# Altium PCB iMX53_BB_PCB_V1I1.PcbDoc (part 8 of 9) (continued)
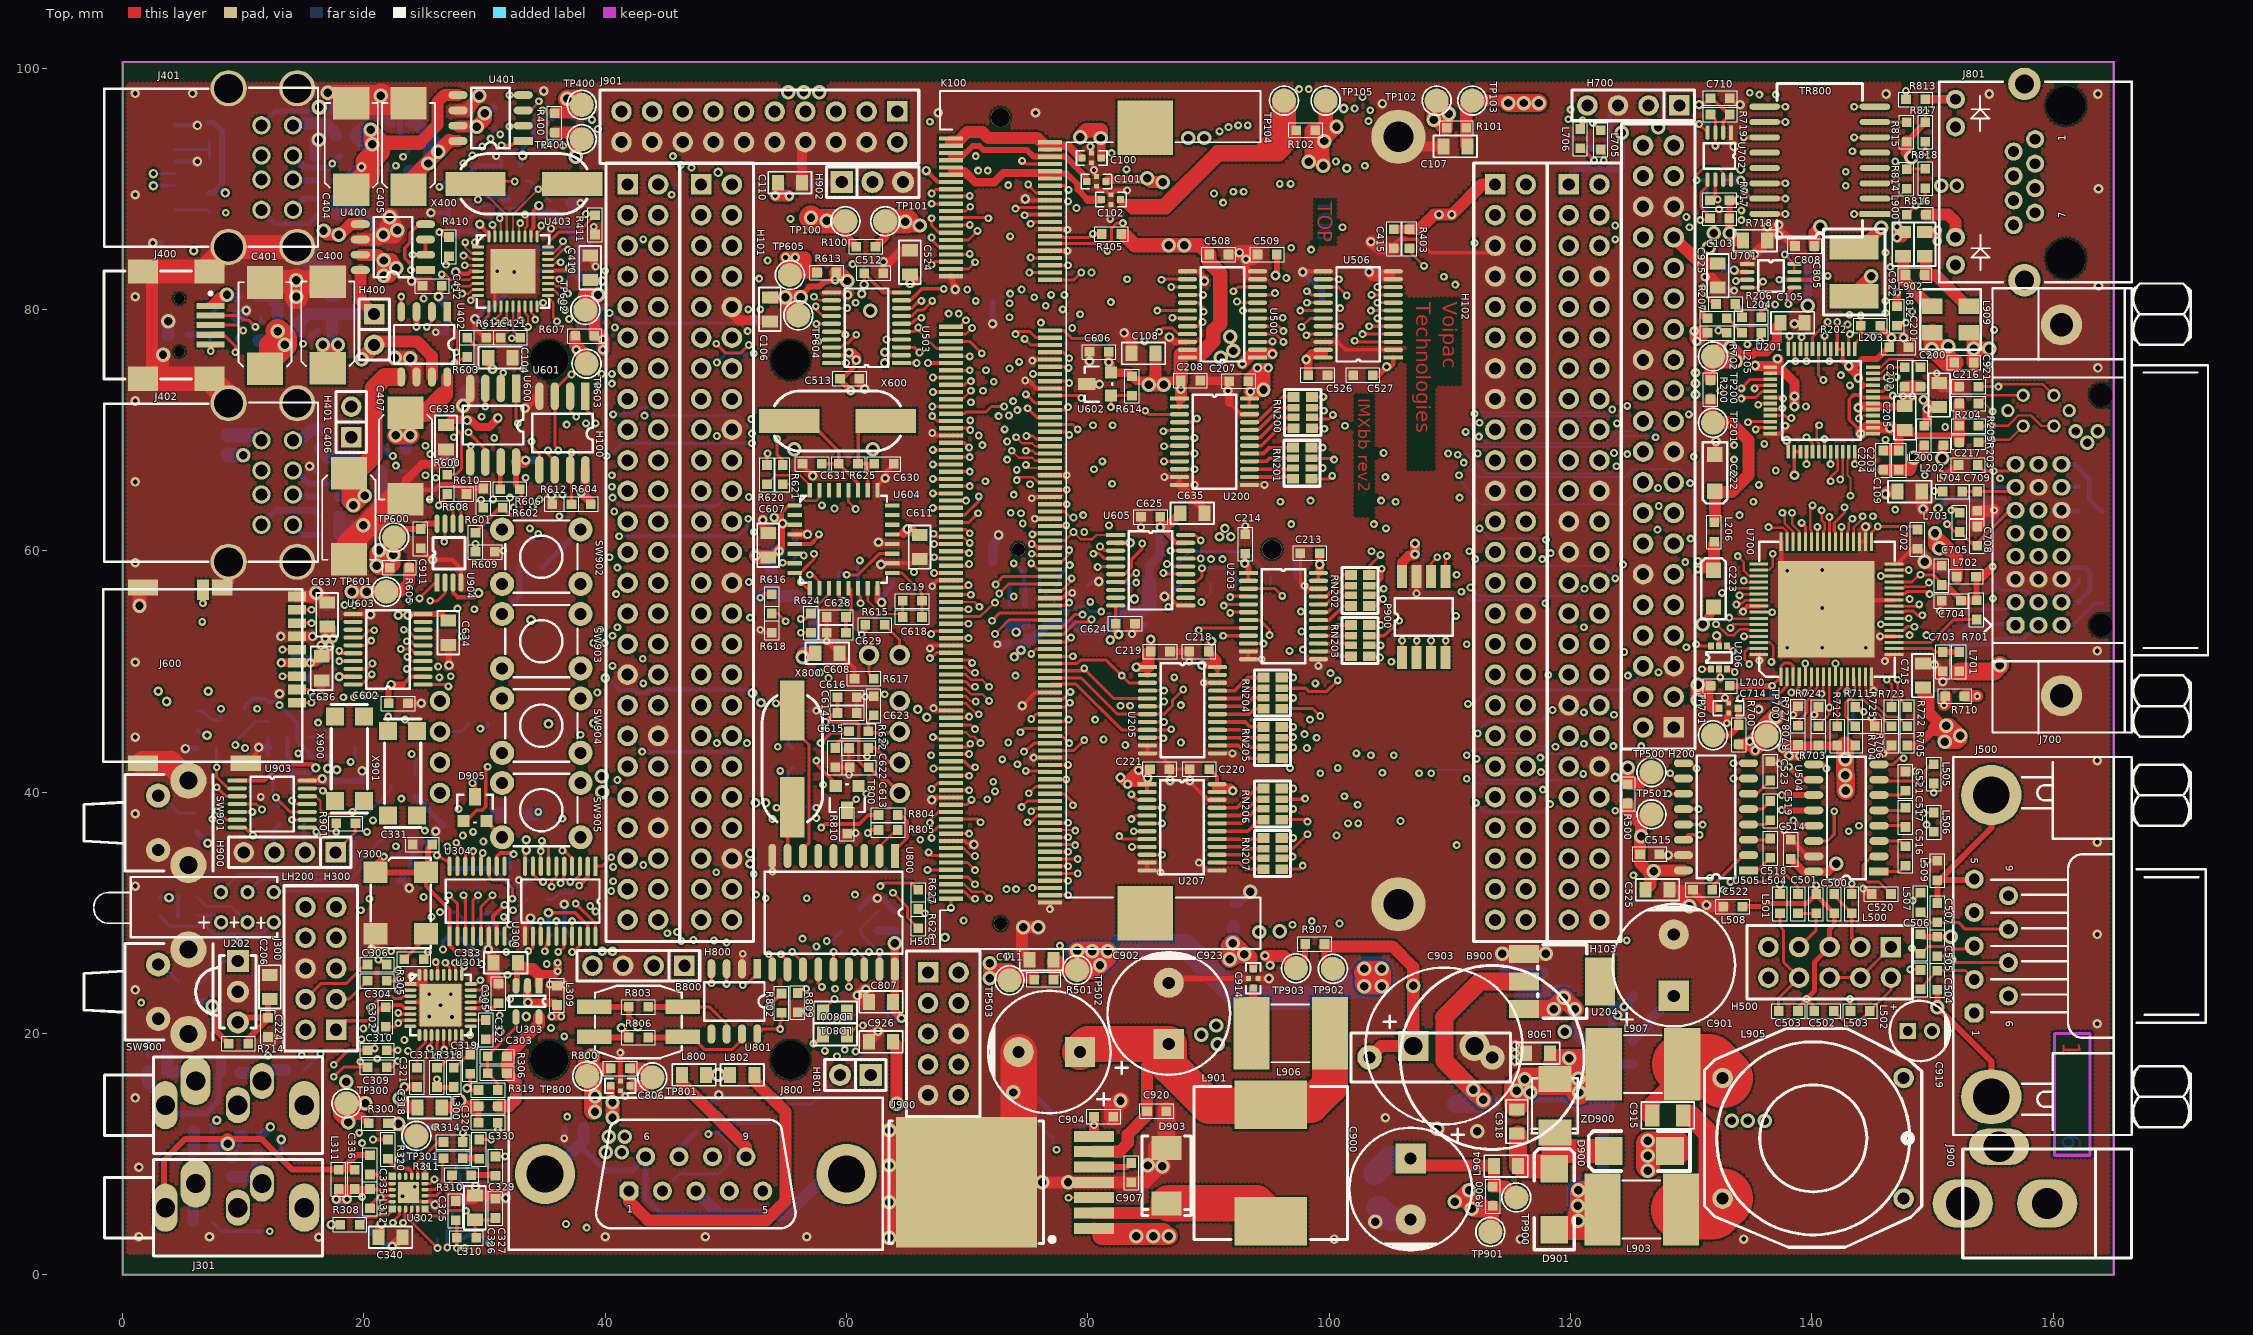
[diagram p0: Top view]
## Nets (pads, with @x,y where several pads share a name; then routed paths per layer and width w, separated by ;. In a path a pad name is that pad's centre, name@x,y a point inside that pad or via, vN(x,y) a via of type N, cw(c..) or ccw(c..) an arc to the next point about the centre after c; other vN are vias at no path point) (continued)
  Top w1.2: R405.1@83.15,86.05 83.9,85.3 v3(86.7,85.3) v3(88,85.3) 89.3,85.3 C508.2@90.05,84.55 90.05,83.9 90.95,83 90.95,78.8 90.4,78.25 90.4,77.35 89.3,76.25 ; v3@85.05,73.8 v3@86.3,73.8 ; C208.2@87.7,74.1 87.7,76 87.7,76.25
  Top w1.5: v3(114.85,97.1) v3(116.1,97.1) v3(117.35,97.1)
  SignalH w0.25: v1(6.6,54.1) 11.181,49.519 11.85,48.85 13.95,48.85 14.25,49.15 16.8,49.15 17.5,48.45 18.75,48.45 19.2,48.9 v2(22.25,48.9)
  SignalV w0.35: v2(33.45,35.2) 33.6,35.05 33.6,32.65 34.75,31.5 37.1,31.5 v1(37.85,32.25) ; v2(52,34.9) 52.1,34.8 52.55,34.9 ; v2@61.45,82.148 v2@61.499,82.099
  SignalV w0.5: H103.1@119.55,90.35 H103.1@119.85,90.35 119.85,90.95 120.5,91.6 124,91.6 124.25,91.85 v3(124.25,94.65)
  SignalV w0.6: v2@82.476,53.136 v2@82.55,53.2
  SignalV w0.7: 33.138,48.925 33.138,49.188 33.85,49.9 v2(33.85,54.25) ; 33.15,41.8 33.55,42.2 33.55,44.2 33.275,44.475 33.275,48.788 ; v2(54.092,89.422) 55.244,89.494 57.75,89.65 61.45,85.95 v2@61.45,82.148 ; v2(61.25,81.3) 61.45,81.5 v2(61.45,82.05) ; v2@61.499,82.099 63.651,82.099 64.15,81.6 64.15,76.922 63.352,76.416 63.244,76.44 v2(63.163,76.446) 63.15,76.433 v2(63.15,75.55) ; v2@82.55,53.2 82.6,53.25 82.6,56 ; 82.6,57.5 82.6,56 ; v2(83.85,56) 82.6,56
  SignalV w0.8: v2(52,34.05) v2(52,34.9) ; v2@52.55,38.9 52.442,38.905 52.096,38.919 v2(52.45,39.099) v2@52.949,39.099 ; v2(81.85,52.6) 82.1,52.6 v2(82.55,53.05) ; v2@83.35,60.9 83.35,68.55
  SignalV w1: 33.15,41.8 33.15,37.4 33.35,37.2 33.35,36.05 v2@33.35,35.2 ; 82.5,55.8 82.5,58.55 83.35,59.4 83.35,60.65 83.35,61.6 ; 83.25,68.55 87.7,73 v2(87.7,73.4) ; v2@84.298,41.9 84.9,42.502 ; 84.55,52 v2(85.2,52.65) ; v2(84.95,41.15) v2@85.05,41.25
  SignalV w1.2: 84.55,50.15 84.55,50.352 84.55,51.85 84.55,52 ; v3(86.7,85.3) v3(88,85.3) 88,86.9 89.25,88.15 v3(89.65,94.2) v3(88.3,94.2) ; v3(124.25,94.65) 124.85,95.25 127.1,95.25 v3(127.25,95.1)
  SignalV w1.4: 84.55,50.15 85.05,49.65 85.05,41.8 v2@85.05,41.25 ; 84.55,50.2 84.25,50.5 84.25,51.55 84.55,51.85 85.275,52.575 v2@85.3,52.6
  SignalV w1.5: 52.55,34.9 v2@52.55,38.9
  SignalV w2: v3@85.15,73.4 86.3,73.4 v2(87.7,73.4)
  Power w0.35: v2@33.35,35.102 v2@33.35,35.2 ; 75.1,76.7 75.2,76.8 ; v2@81.6,75.65 v2@81.7,75.65 ; 81.65,53 v2(81.85,52.6) ; v2(83.5,60.65) 84.1,61.25 85.55,61.25 85.917,60.883 87.317,60.883 88.15,60.05 91.6,60.05 92.7,58.95 v2(93,58.95) v2@93.05,58.95 ; v2(87.7,73.4) v2@87.8,73.4 ; v3(117.35,97.1) v3@117.55,97.1 ; 124.5,99.1 125.2,98.4
  Power w0.5: v2(22.25,48.9) 22.25,54.05 v2(22.85,54.65) ; v2@23.848,54.95 24.95,54.95 25.5,54.4 29.4,54.4 30.5,53.3 32.2,53.3 33.05,54.15 v2@33.75,54.15 ; v2@33.35,35.2 33.35,35.6 33.55,35.8 33.625,35.875 34.5,36.75 ; 35.25,37.05 35.6,36.7 35.6,34.7 36.25,34.05 38.4,34.05 40.1,35.75 51.1,35.75 51.9,34.95 v2(52,34.9) ; 125.2,95.8 125.2,98.4
  Power w0.7: v2@53.864,89.65 v2(54.092,89.422) ; v2(63.15,75.55) 63.163,75.563 v2(63.163,76.446) v2@63.405,76.42 ; 73,76.6 74.95,76.6 75.15,76.8 75.2,76.8 80.45,76.8 v2@81.6,75.65 ; v2(81.725,75.623) 83.948,73.4 85.05,73.4 86.3,73.4 v2(87.7,73.4)
  Power w0.8: v2(22.85,54.65) v2(23.648,54.65) ; v2(52,34.05) v2(52,34.9) ; v2(52.45,39.099) 52.949,39.099 v2(53.3,39.1) 53.1,39.1 53.2,39.2 53.6,39.6 58.4,39.6 59.6,38.4 65.8,38.4 ; v2(54.092,89.422) v2(55.25,89.4) ; 65.775,38.425 65.8,38.4 ; v2(83.3,40.65) 82.7,40.65 ; v2@83.35,40.7 84.2,40.7 84.65,41.15 v2(84.95,41.15) 84.3,41.8 v2(84.2,41.8) 83.6,41.2 83.3,41.2 v2(82.7,41.2) 82.7,40.65 ; v2@87.7,73.8 v2(87.7,73.4) 89.75,73.4 91,72.15 95.2,72.15 98.1,75.05 v2(98.1,75.85) ; 65.8,38.4 72.05,38.4 74.5,40.85 76.55,40.85 77.35,40.05 78.6,40.05 79.2,40.65 82.7,40.65
  Power w1: v2@33.55,35.25 33.55,35.8 33.55,36.05 33.55,36.2 34.4,37.05 35.1,37.05 ; H101.1@47.95,90.35 H101.1@48.15,90.15 ; 65.242,77.45 72.15,77.45 ; v2(74.05,53.25) 75.75,53.25 76.7,54.2 78.6,54.2 80.2,52.6 v2(81.85,52.6) ; 81.424,76.776 82.151,76.049 84.1,74.1 85.05,74.1 86.3,74.1 87.4,74.1 v2@87.7,73.8 ; v3(124.25,94.65) v3@124.45,94.65 ; v3@124.25,95.1 124.5,95.1 125.2,95.8 ; 125.2,98.4 125.85,99.05 ; v2(130.648,96.95) 130.648,98.502
  Power w1.2: H101.1@48.15,90.15 50.49,90.15 H101.2@50.69,90.15 ; v2@63.405,76.42 63.778,76.365 65.242,77.45 ; 82.232,52.254 82.011,52.454 v2(81.85,52.6) 82.1,52.6 v2(82.55,53.05) ; v3@85.05,73.8 v3@86.3,73.8 ; v3(88.3,94.2) v3(89.65,94.2) 89.468,95.236 89.25,95.65 91.4,97.8 ; v3@124.45,94.65 125.05,95.25 127.1,95.25 v3(127.25,95.1)
  Power w1.5: H101.2@50.69,90.15 51.19,89.65 v2@53.864,89.65 ; 72.15,77.45 73,76.6 ; 82.232,52.254 83.95,50.7 83.998,50.7 84.7,50.7 85.2,51.2 v2(85.2,52.65) ; 91.4,97.8 94.45,97.8 95.25,97 98.8,97 100.7,98.9 104.6,98.9 105.6,97.9 112.25,97.9 113.05,97.1 v3(114.85,97.1) v3(116.1,97.1) v3(117.35,97.1) ; v3@117.55,97.1 117.55,97.6 119.05,99.1 ; 130.1,99.05 130.648,98.502
  Power w2: 119.05,99.1 124.5,99.1 ; 125.85,99.05 130.1,99.05
  Bottom w0.25: v1(6.6,54.1) 6.65,54.15 R619.1@6.65,54.75 ; R321.1@35.15,31.1 35.7,31.1 36.25,31.65 37.25,31.65 v1(37.85,32.25)
  Bottom w0.35: v2@33.35,35.102 33.35,34.5 C300.2@33.55,34.3 ; v2@61.45,82.148 R401.1@61.45,83.5 ; v2(130.648,96.95) R720.1@131.5,96.95
  Bottom w0.5: H103.1@119.85,90.35 119.85,90.95 120.5,91.6 124,91.6 124.25,91.85 v3(124.25,94.65)
  Bottom w1: R909.2@54.4,90.45 54.4,89.95 v2(54.092,89.422) v2@55.228,89.422 ; R631.1@73.5,53.9 74.05,53.9 ; v2@74.05,53.4 74.05,53.9 ; R632.1@74.8,53.9 74.05,53.9 ; v3(85.05,73.75) v3(86.3,73.75)
  other v2: 33.45,36.05
VLCD: C200.2 C207.2 C213.2 C218.2 C220.2 C223.1 H200.28 L200.2 L206.1 U200.23 U200.24 U203.23 U203.24 U205.23 U205.24 U207.23 U207.24 | length 184
  Top w0.3: v2@89.482,50.352 U205.24@90.734,50.352 U205.23@90.734,49.702 ; C220.2@90.05,41.9 90.7,41.25 U207.24@90.7,40.65 90.7,40.3 U207.23@90.7,40 v2@91.8,40 ; U200.24@93.3,72.686 U200.24@93.384,72.602 U200.23@93.384,71.952 ; U203.23@99.1,57.5 U203.24@99.1,58.15 U203.24@99.2,58.25
  Top w0.35: C200.2@150.55,71.9 C200.2@150.85,71.6
  Top w0.4: C207.2@93.3,74.4 93.459,73.198 v2(93.461,73.185)
  Top w0.5: U200.24@93.3,72.686 v2(93.461,73.185)
  Top w0.7: v2(89.45,50.5) 89.5,50.55 90.734,50.55 ; v2(90.25,52.5) 90,52.25 C218.2@90,51.65 90.734,50.916 90.734,50.55 ; U205.24@90.734,50.352 90.734,50.55 ; C207.2@93.3,74.4 v2(94.05,75.15) ; U203.24@99.2,58.25 v2(99.2,58.85) C213.2@99.2,59.8 ; C223.1@131.85,58.374 131.774,58.45 v1(130.55,58.45) 130.55,59.05 130.6,59.1 131.85,59.1 131.9,59.1
  Top w0.8: 90.7,40.3 91.8,40.3 v2(92,40.1) ; v2@93.85,73.2 93.85,73.35 93.85,74.2 94.4,74.75 v2@94.4,75.15 ; v2(94.05,75.15) v2@94.4,75.15 ; v2(94.95,75.15) v2@94.4,75.15 ; v2(149.25,72.5) 149.775,71.975 149.921,71.829 C200.2@150.08,71.829 ; L200.2@149.3,70.35 149.55,70.6 v2(149.55,71.75) C200.2@150.08,71.829 ; C200.2@150.55,71.9 C200.2@150.08,71.829
  Top w1: v2(93.461,73.185) 93.384,73.198 93.459,73.198 93.461,73.198 94.398,73.198 v3(94.55,73.35) ; C223.1@131.85,58.374 131.9,58.424 131.9,59.1 L206.1@131.9,60.55
  Top w1.2: v3(94.55,73.35) 94.55,74.95
  SignalH w0.5: 127.3,77.1 129.3,77.1 129.35,77.05
  SignalH w0.8: H200.28@126.01,78.36 126.04,78.36 127.3,77.1 ; 129.35,77.05 130.35,76.05 v2(130.35,74.75) v2(130.35,73.85) v2(130.35,72.95)
  SignalV w0.35: v2@90.054,52.5 90.054,52.556 90.124,52.626 90.3,52.802 90.3,52.55 v2(90.25,52.5)
  SignalV w0.5: 127.295,77.075 129.375,77.075
  SignalV w0.7: v2(90.25,52.5) 90.25,51.25 90.8,50.7 90.8,41 v2@91.8,40 ; v2@90.3,52.802 90.3,55.9 90.694,56.294 90.694,57.594 92,58.9 92,60.6 ; 91.3,61.35 91.35,61.35 91.65,61.35 v2(91.85,61.15) ; v2(93.461,73.185) 93.95,72.548 ; 93.95,70.05 99.5,64.5 99.5,59.248 v2@99.2,58.948 ; H200.28@126.01,78.36 127.295,77.075 ; 129.375,77.075 130.35,76.1 v2(130.35,74.75) ; v2(91.85,61.15) 91.85,61.6 91.6,61.85 v2(91.35,61.85) 90.9,61.4 v2(90.9,61.15) 91.375,60.675 91.45,60.6 91.85,60.6 92,60.6 ; v2(91.85,61.15) 92,60.75 92,60.6
  SignalV w0.8: v2@89.482,50.352 90.798,50.352
  SignalV w1: v2(130.35,74.75) v2(130.35,73.85) ; v2@130.4,73.85 v2(130.35,73.85) ; v1(130.55,58.45) v1(130.55,59.15) 130.55,60.2 131.1,60.75 131.1,61.4 130.6,61.9 130.6,64.8 130.9,65.1 130.9,65.75 131.2,66.05 131.2,68.3 130.8,68.7 130.8,69.95 131.35,70.5 131.35,71.95 v2(130.35,72.95) v2(130.35,73.85)
  SignalV w1.2: v2@93.5,73.35 v3(94.55,73.35) ; 93.95,72.548 93.95,72.75 v3(94.55,73.35) ; v2(94.95,75.15) v2(94.05,75.15) 94.5,74.7 94.55,74.65 v3(94.55,73.35)
  SignalV w1.5: 93.95,70.05 93.95,72.548
  Power w0.5: v2(94.95,75.15) 95.95,75.15 97.45,76.65 107.6,76.65 109.85,78.9 123.8,78.9
  Power w0.7: v2@91.25,61.25 91.35,61.25 91.75,61.25 v2(91.85,61.15) ; v2@99.2,58.948 96.498,58.948 96.35,58.8 94.45,58.8 92.9,60.35 92.4,60.35 92.118,60.761 ; 123.8,78.9 124.34,78.36 H200.28@126.01,78.36 ; v2(91.85,61.15) 92.118,60.761 ; v2(91.85,61.15) 91.85,61.55 91.55,61.85 v2(91.35,61.85) 90.9,61.4 v2(90.9,61.15) 91.289,60.761 91.85,60.761 92.118,60.761
  Power w0.8: v2(94.05,75.15) v2(94.95,75.15) ; v2(130.35,72.95) v2(130.35,73.85) v2(130.35,74.75) 130.75,74.35 135.95,74.35 136.15,74.15 138.8,74.15 138.95,74 139.2,74 140.4,72.8 144.9,72.8 145.8,71.9 149.25,71.9 149.35,71.9 149.375,71.925 v2@149.55,72.1 ; v2(149.25,72.5) 149.55,72.2 v2@149.55,72.1 ; v2(149.55,71.75) v2@149.55,72.1
VMMC: C603.2 C604.2 C605.2 C625.2 C626.2 C627.2 C635.2 C636.2 C637.2 J600.4 J602.5 R605.2 TP601.1 U603.19 U605.19 | length 135.1
  Top w0.4: v2(17.95,49.55) U603.19@19.1,49.55 ; v2(86,61.948) 87.298,60.65 U605.19@88.1,60.65
  Top w0.7: v2(13.15,50.7) J600.4@14.45,50.7 v2(15.55,50.7) 15.95,50.7 C636.2@16.5,51.25 ; C637.2@16.95,53.7 17.2,53.7 C637.2@17.35,53.55 ; v2@17.35,52.798 C637.2@17.35,53.55 ; C637.2@17.35,53.65 C637.2@17.35,53.55 ; v2(86,61.948) C625.2@86,62.8
  Top w0.8: C636.2@16.45,51.3 16.45,52.1 v2(16.45,52.152) ; v2(16.8,52.75) C637.2@16.8,53.602 ; C636.2@17.05,51.3 17.05,52.1 v2@17.05,52.152 ; v2(86,61.948) 86.498,61.948 C635.2@87.65,63.1
  Top w1: v3(20.25,56.6) TP601.1@21.85,56.6 23,56.6 23.75,57.35 R605.2@23.75,58.6
  Top w1.2: v3(19,56.6) v3(20.25,56.6)
  Power w0.2: 36.65,49 38.95,49
  Power w0.35: 17.25,50.1 17.25,51.352 ; v2@17.25,52.698 v2@17.35,52.798 ; 27.4,46.25 27.65,46 33.65,46 36.65,49 ; 38.95,49 39.4,49.45 v2(40,49.45) ; 53.7,48.2 53.85,48.2 ; v2@74.3,51.7 74.35,51.65 v2(74.45,51.75)
  Power w0.5: 17.35,49.55 v2(17.95,49.55) ; 24.6,46.25 27.4,46.25
  Power w0.6: 17.1,50.25 17.1,50.85 ; 17.35,50.25 17.35,49.55 17.35,47.7 18,47.05 23.8,47.05 24.331,46.519 24.6,46.25
  Power w0.7: v2(13.15,50.7) v2(15.55,50.7) ; v2@16.45,52.15 16.825,51.775 16.9,51.7 17.1,51.5 ; v2(16.45,52.152) 16.826,51.776 16.9,51.702 17.101,51.501 ; v2@16.798,52.1 16.9,52.202 16.974,52.276 17.124,52.426 v2@17.448,52.75 ; v2(52.9,47.4) 53.7,48.2
  Power w0.85: v2(15.55,50.7) 16.9,50.7
  Power w1: 17.15,48.85 16.9,49.1 16.9,50.7 16.9,51.7 16.9,51.702 16.9,52.1 16.9,52.152 16.9,52.202 16.9,52.75 16.9,55.4 18.1,56.6 v3(19,56.6) ; v2(52.2,48.2) 52.45,48.45 59.85,48.45 61.15,49.75 66.95,49.75 68.9,51.7 71.35,51.7 71.85,51.2 v2(73.9,51.2) 74,51.2 v2@74.25,51.45
  Power w1.2: v3(19,56.6) v3(20.25,56.6)
  Bottom w0.35: v2(40,49.45) 40.2,49.45 41.2,48.45 42.4,48.45 42.65,48.2 43.45,48.2 43.75,48.5 51.9,48.5 v2(52.2,48.2) v2@52.2,48.1 ; C627.2@74.95,52.1 C627.2@74.95,52.3 ; J602.5@85.1,57.275 J602.5@85.125,57.3
  Bottom w0.6: v2@52.2,48.1 v2(52.9,47.4)
  Bottom w0.7: C627.2@74.95,52.3 74.95,52.8 ; 85.1,56.2 85.1,57.275 85.1,57.3 85.1,58.775 85.95,59.625 v2@85.95,61.948
  Bottom w0.8: C604.2@14.3,51.3 14.7,50.9 15.55,50.9 16.093,50.9 ; v2(15.55,50.7) 16.093,50.9 ; v2(16.45,52.152) 16.774,52.476 16.924,52.626 v2@16.95,52.652 ; v2(16.8,52.75) 17.15,52.75 v2(17.45,52.75) 17.45,53.4 C603.2@16.95,53.9 ; v2(73.9,51.2) 74.1,51.25 v2(74.45,51.75) 74.35,51.95 74.75,52.35 C627.2@74.95,52.35 ; C627.2@75,52.75 75.55,52.75 76.7,53.9 78.95,53.9 79.45,53.4 81.3,53.4 82.9,55 84.65,55 C626.2@85.1,55.45 ; 16.093,50.9 C605.2@16.5,51.05 16.35,50.9 16.093,50.9
  Bottom w1.2: C626.2@85.1,55.45 J602.5@85.1,57.275
  other v2: 17.15,52.1
VSB: C226.2 C927.2 C928.2 D904.1 D904.2 R211.1 R213.2 R215.1 R906.1 T203.1 T900.1 U901.1 | length 213.3
  SignalV w0.35: v2(5.9,84.85) v2@6.2,84.85 ; v2(8.5,89.65) 6.2,87.35 v2@6.2,84.85 ; v1(13,47.2) 12.5,47.2 12.1,47.6 6.25,47.6 5.75,48.1 5.75,56.7 6.2,57.15 v2@6.2,84.85
  SignalV w0.5: v2(17,41.95) 17.65,41.95 v2(17.75,41.85) 18.05,41.55 18.05,38.05 19.25,36.85 19.25,30.7 v1(19.75,30.2) ; v3(94.2,28.4) 100.7,21.9 116,21.9 118.85,19.05 121.45,19.05 v2(123.9,21.5)
  SignalV w0.8: v2(123.9,21.5) 124.45,22.05 v2(124.45,22.2)
  Power w0.5: v1(19.75,30.2) 19.8,30.25 25.15,30.25 26.1,31.2 26.1,31.85 26.75,32.5 32,32.5 33.2,31.3 35.75,31.3 35.95,31.5 39.05,31.5 40.55,30 40.55,28.35 40.95,27.95 44.45,27.95 45.5,26.9 48.4,26.9 48.4,26.65 48.45,26.7 50.3,26.7 51.15,27.55 51.55,27.55 51.55,27.65 53.25,29.35 61.15,29.35 62.05,28.45 65.9,28.45 66.2,28.75 68.75,28.75 69.15,28.35 71.75,28.35 72.35,27.75 76.35,27.75 77.75,29.15 88.05,29.15 88.8,29.9 92.65,29.9 94.15,28.4 v3(94.2,28.4)
  Bottom w0.35: T900.1@10.15,46.9 10.15,47.15 10.7,47.7 11.8,47.7 R906.1@12.05,47.45 12.75,47.45 v1(13,47.2) 14.5,45.7 14.5,44.2 15.45,43.25 R211.1@15.45,42.95 T203.1@17.1,42.95 ; v2(17,41.95) 17.25,42.2 17.25,42.35 T203.1@17.25,42.8
  Bottom w0.5: R213.2@7.2,89.65 7.55,89.65 8.25,90.35 8.25,94.75 7.55,95.45 R215.1@7.2,95.45 ; 8.026,90.124 v2(8.5,89.65) ; v2(17,41.95) 17.1,41.85 v2(17.75,41.85) 17.325,42.275 17.25,42.35 T203.1@17.25,42.55
  Bottom w0.8: v2(123.9,21.5) 124.525,22.125 124.705,22.305 C928.2@124.705,22.605 ; U901.1@125.15,17.45 D904.2@123.5,17.45 D904.1@123.5,19.35 123.5,21.5 C927.2@123.5,22.3 124.4,22.3 C928.2@124.705,22.605 ; C928.2@125.2,23.1 C928.2@124.705,22.605
VSCR: C607.2 C608.2 C609.2 C610.2 C611.2 C612.2 R613.2 R615.2 R616.2 TP605.1 U604.1 U604.3 U604.16 U604.21 | length 102.7
  Top w0.3: U604.3@55.7,62.15 54.7,62.15 54.648,62.15 54.648,62.25 54.648,63.198 55.2,63.75 U604.1@55.7,63.75 ; U604.21@63.8,61.35 64.9,61.35 ; v2(65.05,61.8) 65.025,61.725 64.9,61.35 ; C611.2@66.05,61.35 65.75,61.35 65.05,61.35 64.9,61.35
  Top w0.35: v2(52.5,59.6) 53.25,59.7 C607.2@53.5,59.45 ; v1(52.85,56.1) 53.15,56.4 R616.2@53.8,56.4 ; TP605.1@55.3,82.85 55.5,83.05 56.1,83.65 56.35,83.9 56.6,84.25 ; v1(61.25,53.05) 61.55,53.35 R615.2@61.55,53.85 ; C611.2@66.05,61.35 66.075,61.325 C611.2@66.1,61.3
  Top w0.5: 54.55,62.85 54.15,62.85 v2(54,62.75) v2@54.248,62.5 ; v2@62.55,55.848 U604.16@62.55,56.9 ; v2@54.248,62.5 54.599,62.149 v2@54.648,62.1 ; v2@54.248,62.5 54.35,62.5 54.648,62.202 v2@54.648,62.1 ; 54.648,60.598 54.2,60.15 C607.2@53.5,59.45 53.9,59.45 v2(54.4,59.95) 54.648,60.198 54.648,60.598 ; 54.648,60.598 v2@54.648,62.1
  Top w0.8: 64.75,61.45 65.025,61.725 65.05,61.75 v2(65.05,61.8) 65.3,61.8 65.75,61.35 65.8,61.3 C611.2@66.05,61.3
  Top w1: TP605.1@54.95,83.65 55.3,83.65 55.75,83.65 56.1,83.65 56.6,83.65 ; v2(54.95,84.3) 55.3,84.3 v2(55.75,84.3) 56.55,84.3 56.6,84.25 56.6,83.65 ; TP605.1@55.5,83.05 56.55,83.05 ; v3(56.35,51.15) 56.4,51.5 C608.2@57.4,51.5 ; R613.2@57.55,83.05 56.55,83.05 ; 56.55,83.05 56.6,83.1 56.6,83.65
  Top w1.2: v2(52.5,59.6) 52.65,59.45 C607.2@53.5,59.45
  SignalV w0.35: v2@54.648,62.15 v2@54.648,62.25 ; v3@55.45,68.206 v3(55.644,68.4) ; v3@61.9,68.35 v3(62.15,68.4) ; v2(62.9,55.7) 62.9,56.198 64.9,58.198 64.9,61.65 v2(65.05,61.8)
  SignalV w0.7: v2@54.008,62.6 v2@54.648,62.6 ; 54.15,62.25 v2@54.648,62.25 ; v2(54.7,62.25) v2@54.648,62.25 ; v3(55.644,68.4) 55.45,68.206 54.648,67.404 54.648,62.75 v2@54.648,62.6 ; v2@54.648,62.25 v2@54.648,62.6
  SignalV w1.2: v3@61.9,79.95 v3(61.95,79.9) 61.95,74.9 62.95,73.9 62.95,69.2 v3(62.15,68.4)
  Power w0.7: v1(61.25,53.05) 62.9,54.7 v2(62.9,55.7)
  Power w1: v2(54.95,84.3) v2(55.75,84.3) ; v2@55.65,84.15 58.75,81.05 ; v3(56.35,51.15) 59.55,51.35 v1(61.25,53.05)
  Power w1.2: v2@55.05,84.15 v2@55.3,84.15 ; v2@55.3,84.2 v2@55.3,84.15 ; 55.375,83.925 55.3,84 v2@55.3,84.15 ; v3(55.644,68.4) v3(62.15,68.4) ; v2@55.65,84.15 v2@55.3,84.15 ; 58.75,81.05 58.75,79.65 59.4,79 61.05,79 v3(61.95,79.9)
  Bottom w0.35: v2(52.5,59.6) v2@52.55,59.7 ; 53.76,56.59 54.1,56.25 ; v2(65.05,61.8) 65.75,61.1 C612.2@66.05,61.1
  Bottom w0.5: v2(62.9,55.7) 62.913,55.713 62.913,56.211 63.8,57.098 C610.2@63.8,57.35
  Bottom w1: v2@52.55,59.7 C609.2@53.5,59.7 ; v1(52.85,56.1) 53.34,56.59 53.76,56.59 53.76,58.661 53.5,58.921 C609.2@53.5,59.7 ; C609.2@53.7,59.7 C609.2@53.5,59.7 ; 54.1,56.25 55.8,56.25 57.35,54.7 57.35,52.65 56.4,51.7 v3(56.35,51.15) ; v2(54.4,59.95) 53.75,59.95 C609.2@53.5,59.7
VSER: C509.2 C514.2 C515.2 C525.2 C527.2 R500.2 TP501.1 U500.1 U500.2 U504.16 U505.16 U506.1 | length 155
  Top w0.3: C515.2@125.75,34.85 125.75,35.702 ; C514.2@138.25,34.45 139.3,33.4 U504.16@140.15,33.4
  Top w0.4: v2(104.75,75.25) 105.1,75.25 105.3,75.45 U506.1@105.3,76
  Top w0.5: v2@95.65,82.816 C509.2@95.65,84.55 ; C527.2@103.6,74.55 104.05,74.55 v2(104.75,75.25) ; U505.16@129.22,33.5 U505.16@129.327,33.55 ; U505.16@129.35,33.5 U505.16@129.9,33.5
  Top w0.7: 124.75,38.198 R500.2@124.75,39.05 ; C514.2@138.25,34.45 139.3,33.4 U504.16@140.15,33.4 141.35,33.4 v3(142,34.05)
  Top w1: v2(92.8,75.5) 93.65,76.35 94.05,76.35 v2@95.2,76.35 ; R500.2@124.75,39.05 124.75,38.4 125.85,37.3 ; C525.2@126.2,31.9 126.6,32.3 126.6,33.45 v3@126.6,33.5 ; TP501.1@126.7,38.15 125.85,37.3 ; U505.16@129.35,33.5 129.22,33.5 126.9,33.5 v3@126.6,33.5 ; 125.85,37.3 v3(125.85,36.35) 125.75,36.25 125.75,34.1 126.35,33.5 v3@126.6,33.5
  SignalH w0.5: v2(95.3,76.3) 96.45,76.3 96.8,76.65 103.35,76.65 104.256,75.744 v2(104.75,75.25)
  SignalH w1.2: v3(126.9,33.45) 128.55,33.45 129.45,34.35 141.7,34.35 v3(142,34.05)
  SignalV w0.6: 94.1,76.85 92.775,75.525 92.45,75.2 92.45,69.7 97.1,65.05
  SignalV w0.7: 94.1,76.85 94.1,81.4 v2@95.45,82.75 ; v3(95.9,28.45) 95.9,30.262 95.562,30.6 95.562,52.312 96.55,53.3 96.55,55.5 96.95,55.9 96.95,57.4 97.95,58.4 97.95,62.65 97.1,63.5 97.1,65.05
  Power w0.35: 125.555,31.705 126.45,32.866 v3(126.9,33.45)
  Power w0.7: v3(95.9,28.45) 96.65,27.7 122.8,27.7 124,28.9 124,30.15 126.45,32.938 v3(126.9,33.45)
  Power w1.2: v3(125.85,36.35) 126.45,35.75 126.45,33.45 126.45,32.938 126.45,32.866 126.45,32.6 v3(126.9,33.45)
  other v2: 95.55,82.8
VSPI: C513.2 C524.2 H501.1 R501.2 TP503.1 U503.19 | length 120.3
  Top w0.3: C513.2@59.45,74.25 C513.2@59.6,74.25
  Top w0.35: U503.19@58.75,76.2 v2@60,76.2 ; C513.2@59.45,74.25 59.65,74.25 60.603,75.203 60.603,75.8 60.603,75.847 60.25,76.2 60.2,76.2 v2@60,76.2 ; v2(60.2,76.4) v2@60,76.2 ; v3(71.85,25.8) v3@71.9,25.25
  Top w0.5: C513.2@59.45,74.15 v2(60.35,73.25)
  Top w0.8: v2(60.2,76.4) 60.45,76.4 60.85,76 v2@60.85,75.8 ; v2(65.25,82.15) 65.495,82.241 65.796,82.354 65.625,82.525 C524.2@65.25,82.9
  Top w1: v3(71.85,25.8) v3(71.85,24.55) 73.18,25.132 TP503.1@73.45,25.25 ; TP503.1@73.5,24.65 R501.2@75.5,24.65
  Top w1.2: v3@71.9,25.25 73.45,25.25 TP503.1@73.5,25.25
  SignalV w0.35: 65.9,37.05 65.9,37.3 ; 66.2,45.75 v2(66.65,46.2)
  SignalV w0.5: 63.15,50.7 63.15,52.75
  SignalV w0.7: v2(60.35,73.25) 60.35,67.25 60.94,66.66 63.85,63.75 63.85,58.103 62,56.253 62,53.9 63.15,52.75
  SignalV w0.8: 63.15,50.55 63.15,50.1 63.8,49.45 63.8,49.35 63.85,49.3 64.85,49.3 65.9,48.25 v2(65.9,46.85) ; v2(66.65,46.2) 66.55,46.2 v2(65.9,46.85) ; H501.1@66.75,25.05 66.75,27.8 65.05,29.5 65.05,36.45 65.9,37.3 65.9,46.2 v2(65.9,46.85)
  Power w0.35: H501.1@66.75,25.05 H501.1@66.75,25.55
  Power w0.5: 40.7,45.9 55.9,45.9 ; 63.35,46.25 65.3,46.25
  Power w0.7: v2@35.25,45.6 35.3,45.6 36.55,45.6 36.8,45.85 38.248,45.85 38.098,45.7 v2(39.05,45.7) 40.5,45.7 40.7,45.9 ; 55.9,45.9 56.9,44.9 62,44.9 63.35,46.25
  Power w0.8: v2(60.2,76.4) 60.6,76.4 ; v2@60.4,76.35 v2@60.8,75.95 ; v2@60.8,76 60.8,76.2 ; 60.8,76.45 63.25,78.9 63.25,79.85 65.1,81.7 65.15,81.7 ; v2(65.25,82.15) v2@65.304,81.984 ; v2(65.9,46.85) 66.55,46.2 v2(66.65,46.2)
  Power w1: 65.3,46.25 v2(65.9,46.85) ; H501.1@66.75,25.55 67.75,26.55 71.1,26.55 v3(71.85,25.8) v3(71.85,24.55)
  other v2: 35.3,45.65 60.8,75.8
VSSA: C302.1 C318.1 C319.2 C320.1 C321.1 C322.1 H300.5 L308.1 L309.2 R319.1 U301.7 U303.2 | length 71.5
  Top w0.3: C302.1@21.8,20.55 22.55,20.55 v1(22.85,20.85) 23.088,21.088 U301.7@23.85,21.088 ; C319.2@28.8,16.65 28.8,15.7 v2(28.55,15.45) 28.7,15.3 R319.1@29.5,15.3 ; v1(31.1,12) C320.1@31.1,12.6
  Top w0.7: v2(23.35,15.55) C321.1@24.35,15.6 ; C322.1@30.1,19.5 30.6,19.5 v2(31.25,20.15) ; U303.2@33.55,23.95 33.55,22.6 v2(33.6,22.55) L309.2@35.8,22.55 ; v1(35.55,21.4) v1(36.35,21.4) ; 36,21.4 L309.2@36,22.35
  Top w1: v3(22.95,14.6) 23.7,13.85 C318.1@24.45,13.85
  SignalV w0.5: v2(28.55,15.45) 31.1,12.9 v1(31.1,12)
  SignalV w0.8: v3(18.55,16) 18.8,16.25 18.8,18.15 19.7,19.05 19.7,19.35 v1(19.8,19.5)
  Power w0.5: v1(19.8,19.5) 21.15,19.5 22.5,20.85
  Power w0.7: v2(12.25,12.25) 13.45,12.25 14.25,11.45 15.9,11.45 17,12.55 17,14.55 v3(18.55,16) ; H300.5@17.7,25.38 17.72,25.38 19.7,23.4 21.05,23.4 21.75,22.7 21.75,21 21.9,20.85 ; 20.3,15.55 20.92,15.6 22.197,15.703 22.3,15.6 23.35,15.6 25,15.6 26.15,14.45 ; 21.95,20.8 21.9,20.85 ; v1(22.85,20.85) 22.5,20.85 21.9,20.85 ; 26.335,14.275 27.311,13.3 28.55,13.3 29.25,14 29.25,14.75 v2(28.55,15.45) ; 28.55,15.9 30.9,18.25 v2(31.25,20.15) 32.3,21.35 32.3,21.85 33,22.55 v2(33.6,22.55)
  Power w1: v3(18.55,16) 18.95,15.6 20.92,15.6 22.3,15.6 22.7,15.6 ; v3(22.95,14.6) 22.95,15.2 v2(23.35,15.55)
  Bottom w0.7: L308.1@11.45,11.6 11.6,11.6 v2(12.25,12.25)
VUSB: C408.2 C409.2 C410.2 C411.2 C412.2 C413.2 C414.2 R400.2 R406.2 R407.1 R408.1 R409.1 TP401.1 U403.5 U403.10 U403.15 U403.23 U403.29 U403.36 | length 78.2
  Top w0.3: v1(29.95,78.7) 29.9,79.05 30.35,79.5 U403.10@30.35,80.25 ; U403.15@32.85,80.25 32.85,79.2 v1(33,79.1) ; U403.29@33.85,86.05 33.85,86.55 34.05,86.75 34.05,88.15 v2(34.5,88.6) ; U403.23@35.25,83.15 35.75,83.15 35.824,83.224 v2@36.95,83.224 ; R400.2@35.8,94.6 R400.2@35.8,94.65 ; TP401.1@37.55,93.7 TP401.1@38.05,94.1 ; C410.2@38.75,82.45 v2(39.75,82.35)
  Top w0.35: v2(26.185,81.063) 26.45,81.55 C412.2@26.45,81.95 ; v2(27.6,83.1) 27.75,82.95 28.6,82.95 28.8,83.15 U403.5@29.45,83.15 ; v2(29.6,87.05) 30.35,86.25 U403.36@30.35,86.05
  Top w1: R400.2@35.8,94.65 37.5,94.65 TP401.1@38.05,94.1 ; v3(37.55,92.65) TP401.1@37.55,93.7
  SignalV w0.35: v2(27.6,83.1) 30.05,80.65 30.05,78.85 v1(29.95,78.7)
  Power w0.35: v2@27.75,82.95 v2(27.6,83.1) 27.6,83 26.185,81.585 ; v2@29.55,87.3 v2(29.6,87.05) ; v1(29.95,78.7) 30.25,78.35 32.25,78.35 v1(33,79.1) ; v2@34.45,88.6 v2(34.5,88.6) ; v3@38.05,92.45 v3@38.05,92.648 ; 26.185,81.585 26.05,81.45 v2(26.185,81.063) 26.185,81.585
  Power w0.5: v2(33.15,92.75) v3@37.55,92.75
  Power w0.8: v2(27.6,83.1) 28.15,82.55 28.6,82.55
  Power w1: 28.6,82.55 28.85,82.55 30.25,83.95 30.25,86 29.55,86.7 v2(29.6,87.05) 29.55,87.7 30.8,88.95 34.1,88.95 v2@34.45,88.6 ; v2(34.5,88.6) 35.65,88.6 38.2,91.15
  Power w1.5: v3(37.55,92.65) 38.2,92 38.2,91.15
  Bottom w0.35: R409.1@27.3,85.95 27.822,86.472 29.272,86.472 29.6,86.8 v2(29.6,87.05) ; C411.2@33,91.9 33,92.75 v2@33,92.752 ; v2(33.15,92.75) 33.15,93.35 34.05,94.25 R407.1@34.05,95.65 ; R406.2@36.1,87.45 R406.2@36.1,87.55 ; v2@37,83.6 37.075,83.525 37.028,83.478 v2@36.95,83.4 ; v2(37.074,83.433) v2@36.95,83.4 ; v3@37.3,92.9 v3(37.55,92.65) ; C408.2@37.35,86.2 C408.2@37.5,86.2 ; v2@36.95,83.4 36.962,83.377 36.98,83.339 37.05,83.2 36.95,83.2 v2@36.95,83.4
  Bottom w0.4: C414.2@33.25,82.35 34.1,83.2 v2@36.95,83.2
  Bottom w0.8: v2(26.185,81.063) 26.8,80.447 C413.2@26.8,80.4 ; v2(34.5,88.6) 34.5,88.25 34.85,87.9 35.75,87.9 R406.2@36.1,87.55 36.1,87.4 36.95,86.55 37.15,86.55 C408.2@37.5,86.2 37.9,85.8 37.9,85.35 37.8,85.25 37.8,84.159 v2(37.074,83.433) ; v2@36.98,83.339 v2(37.074,83.433) ; v2(39.75,82.35) 39.45,82.35 39.15,82.65 37.856,82.65 v2(37.074,83.433)
VUSBO: B400.1 C400.1 C401.1 C403.2 H400.1 L400.1 R402.1 U400.5 U400.8 | length 54.5
  Top w1: C401.1@11.8,75.075 11.8,75.4 11.8,77.15 v3(12.85,78.2) ; v3@16.6,77.15 v3(16.6,77.05) 16.6,75.525 C400.1@17,75.125 17,76.2 17.225,76.425 v3(17.85,77.05) ; v3(16.65,86.5) 16.95,86.2 v3(17.9,86.2) 18.05,86.2 18.91,87.06 U400.5@19.7,87.06 ; U400.8@19.7,83.25 19.7,80.75 H400.1@20.85,79.6
  Top w2: C401.1@11.8,75.4 v3(13.45,77.05) 13.45,77.6 v3(12.85,78.2)
  SignalV w1: v3(16.6,77.05) v3(17.85,77.05)
  Power w1: v3(17.85,77.05) v3(16.6,77.05) 16.8,77.25 16.8,85.5 ; 16.8,85.5 17.146,85.72 v3(17.9,86.2) 17.6,86.5 v3(16.65,86.5) 16.8,86.35 16.8,85.5
  Bottom w1: B400.1@11.25,77.4 12.05,77.4 v3(12.85,78.2) ; L400.1@11.25,81.05 12.1,81.05 12.85,80.3 v3(12.85,78.2) ; v3(16.6,77.05) v3(17.85,77.05) 17.35,77.55 C403.2@17.35,79.6 ; H400.1@20.85,79.6 C403.2@17.4,79.6 C403.2@17.35,79.6 ; v3(12.85,78.2) R402.1@14.6,78.2 14.6,78.85 15.35,79.6 C403.2@17.35,79.6
  Bottom w2: v3(12.85,78.2) 12.85,77.65 v3(13.45,77.05)
VVGA: C201.2 C202.2 C203.2 C204.2 C205.2 L200.1 L202.1 U201.13 U201.29 U201.30 | length 26.7
  Top w0.3: v2(137.9,69.15) 138.05,68.9 U201.13@138.05,68.2 ; U201.29@145.05,71.7 145.05,71.95 U201.30@145.05,72.2 145.3,71.95 ; C205.2@147.9,71.95 C205.2@147.95,72
  Top w0.7: 145.3,71.95 147.7,71.95 C205.2@147.9,71.95
  Top w0.8: v2(143.85,71.85) 143.95,71.95 145.05,71.95 145.1,71.95 ; C202.2@147.65,73.5 147.65,72.8 147.65,72.75 147.7,72.75 147.95,72.75 v1(148.3,72.8) ; v3(148.45,67.7) 149.25,67.85 L200.1@149.25,68.75
  Top w1: C204.2@145.9,66.7 148.1,66.7 v3(148.45,67.7) ; C202.2@147.7,73.6 148.3,73.6 C201.2@149,73.6
  SignalV w0.8: v1@147.65,72.8 147.7,72.75 v1(148.3,72.8)
  SignalV w1: 148.075,72.275 147.6,71.8 147.6,70.4 149.05,68.95 v3(148.45,67.7)
  Power w0.8: v2(137.9,69.15) 138,69.15 140.7,71.85 v2(143.85,71.85)
  other v1: 147.55,72.8
pads on no net: B700.1 B701.1 B702.1 B703.1 H100.6 H100.7 H100.10 H101.5 H101.6 H101.7 H101.8 H101.9 H500.9 H500.10 J300.4 J300.5 J301.4 J301.5 J400.MH3 J400.MH4 J500.9 J601.4 J601.8 J601.MH1 J601.MH2 J601.MH3 J601.MH4 J602.16 J602.17 J700.0 J700.4 J700.5 J700.12 J700.13 J700.20 J700.21 J700.C5 J700.C6 J800.4 J800.5 J800.8 J801.BO1 J801.BO2 J901.11 J901.17 J901.19 K100.201 K100.202 K100.203 K100.204 TR800.4 TR800.5 TR800.12 TR800.13 U204.4 U208.2 U208.7 U301.8 U301.9 U301.17 U301.19 U301.22 U301.28 U301.30 U302.1 U302.19 U302.20 U304.9 U603.8 U603.9 U603.12 U603.13 U604.2 U604.22 U604.23 U604.24 U604.29 U604.30 U605.8 U605.9 U605.12 U605.13 U700.49 U800.3 U800.4 U800.5 U800.6 U801.5 X900.3 X900.4 X901.3 X901.4

## Polygon pours and split planes (outlines as drawn)
GND on Top "GND" (hatched 90Degree grid 0.35 track 0.35, remove dead copper, pour order 1003): 0,98.7 0,1.85 -0.05,1.8 164.9,1.8 164.9,98.7 0,98.7
RFGND on GND "RFGND" (hatched 45Degree grid 0.35 track 0.35, remove dead copper, pour order 1007): 21,6.65 20.5,6.15 19.35,6.15 18.9,5.7 18.9,5.1 18.65,4.85 2.75,4.85 1.35,6.25 1.35,8.85 5,12.5 13.7,12.5 14.4,11.9 22,11.9 22,8.85 22.7,8.15 22.7,6.65
GND on GND "GND" (hatched 90Degree grid 0.35 track 0.35, remove dead copper, pour order 1010): 0,98.7 0,1.85 0.05,1.8 61.1,1.8 61.1,15 68.75,15 69.65,15.9 69.65,22.05 71.75,24.15 79.7,24.15 83.1,27.55 120.5,27.55 124.05,31.1 131.75,31.1 134.05,28.8 134.05,22.35 135.15,21.25 164.95,21.25 164.95,79.9 165,79.95 140.35,79.95 140.35,84 138.9,85.45 138.9,98.7 0,98.7
GND on GND "GND" (hatched 45Degree grid 0.35 track 0.35, remove dead copper, pour order 1006): 138.9,1.85 62.55,1.8 62.5,1.75 62.5,13.7 62.55,13.75 70,13.75 71.05,14.8 71.05,21.45 72.35,22.75 80.3,22.75 83.75,26.2 121.5,26.2 124.9,29.6 130.95,29.6 132.55,28 132.55,21.3 133.85,20 138.9,19.95